# Altium PCB FRONT-UNIT-7.PcbDoc (part 1 of 3)
Units mm, origin at the board's own origin, x right, y up, seen from the top; angles counter-clockwise.
Board outline 280 x 128 mm, 2 copper layers (Top Layer, Top, Bottom Layer, Bottom), stack 1.671 mm thick; 145 components, 118 nets, 623 pads, 1279 vias.
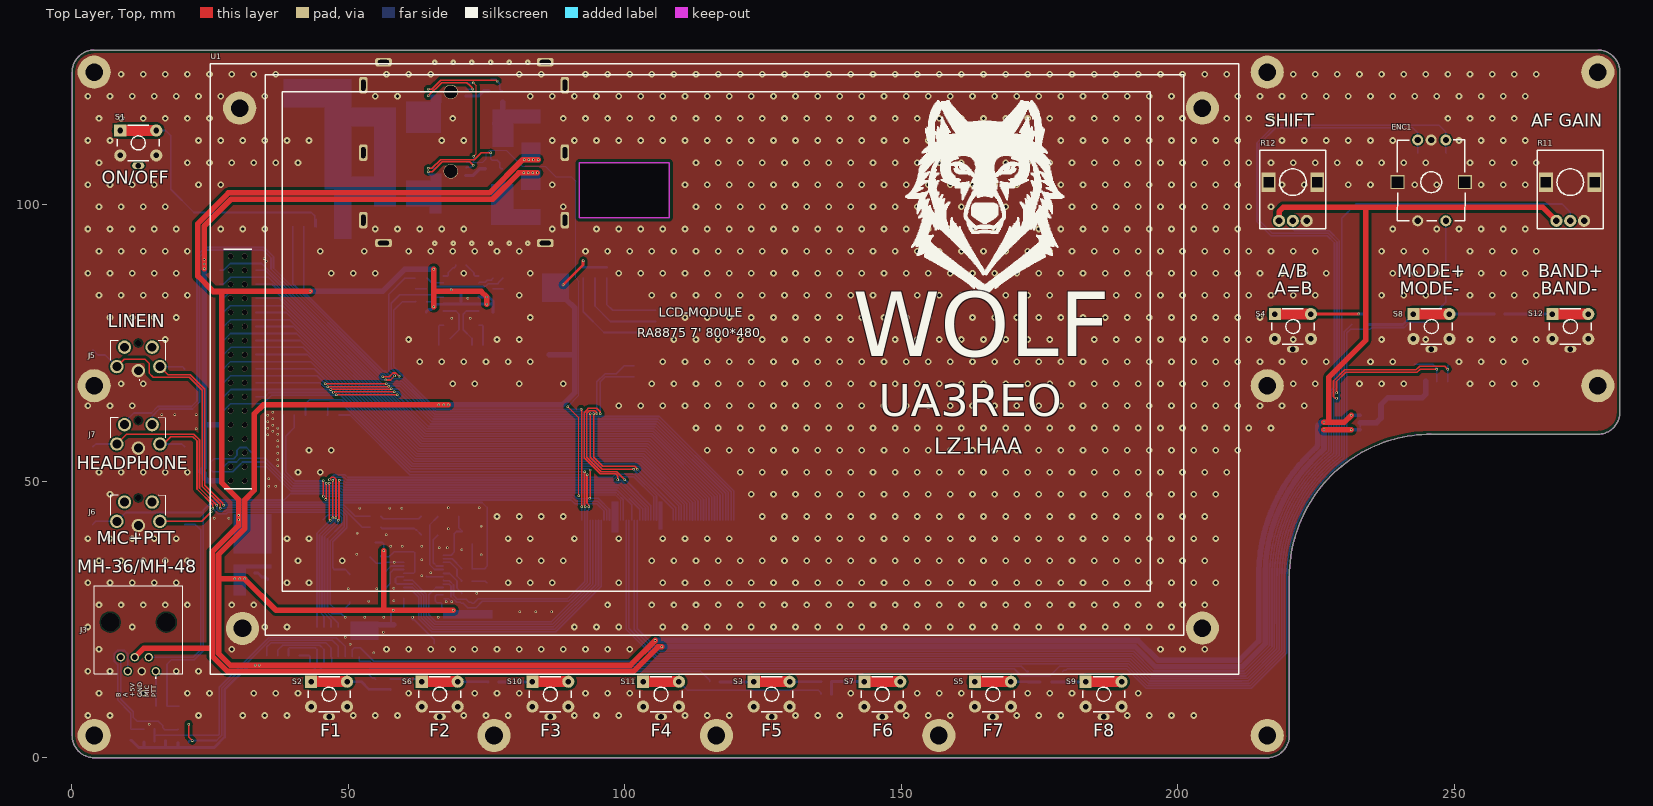
[diagram p0: Top Layer, Top view]
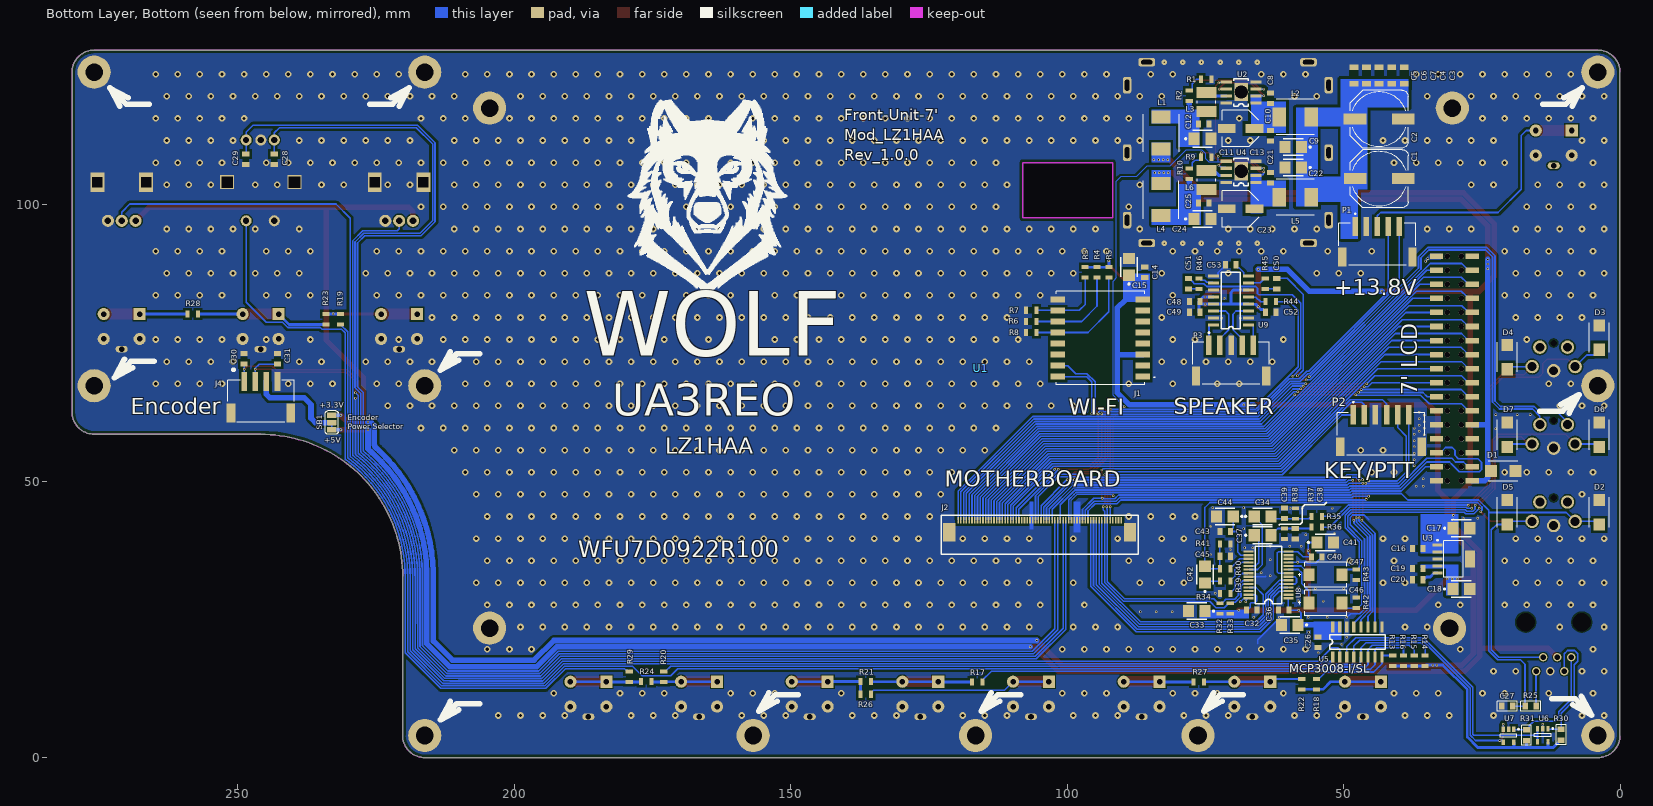
[diagram p1: Bottom Layer, Bottom view, seen from below]
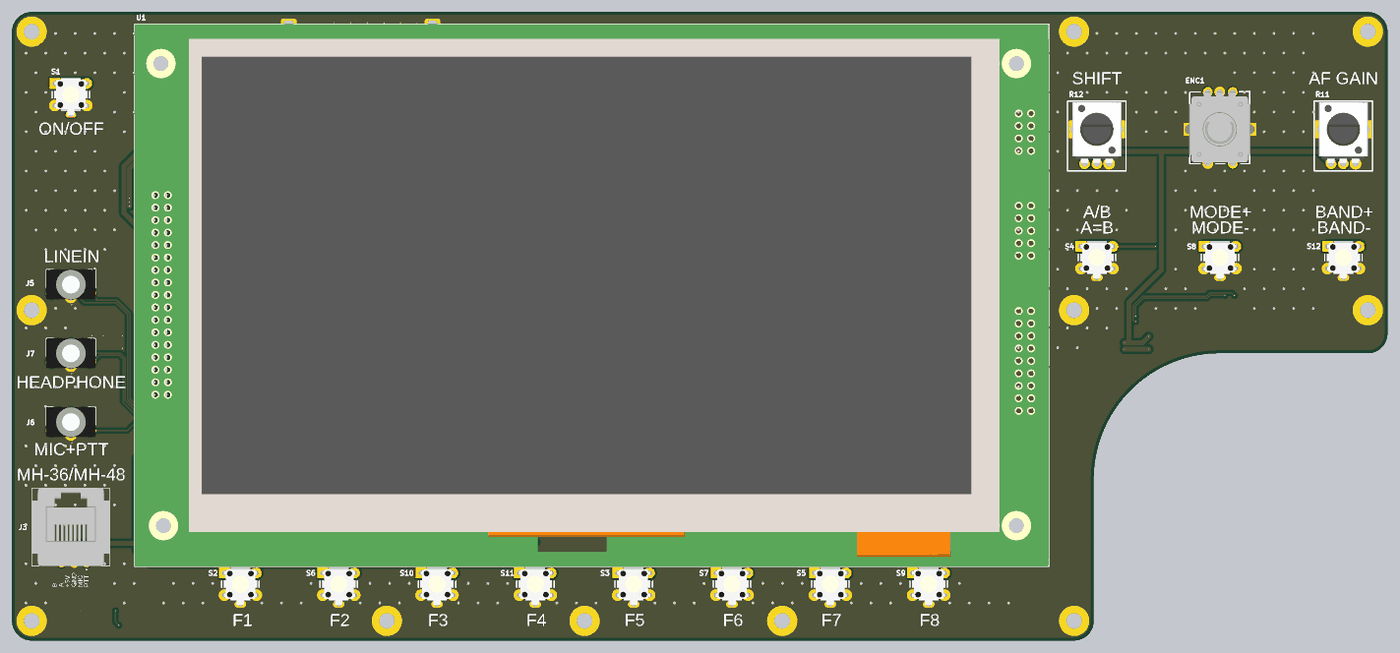
[diagram p4: 3D render of the assembled board from above, using the file's embedded part models]
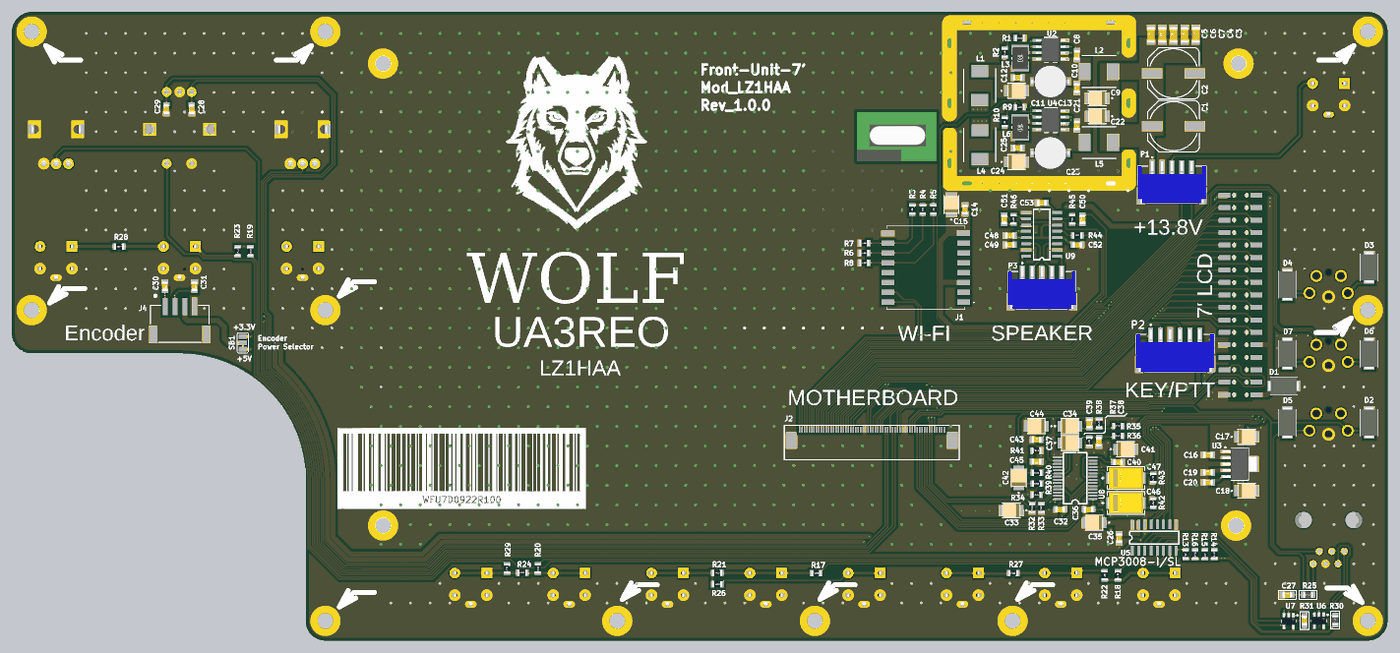
[diagram p5: 3D render of the assembled board from below, using the file's embedded part models]

## Layer stack, top to bottom
Top Solder, Top Mask: solder mask 0.0102, Solder Resist, Dk 3.5
Top Layer, Top: signal copper 0.0356
Dielectric 1: dielectric 1.6, FR-4, Dk 4.8
Bottom Layer, Bottom: signal copper 0.0356
Bottom Solder, Bot Mask: solder mask 0.0102, Solder Resist, Dk 3.5

## Board outline
0.006,4.013 ccw(c4.013,4.013) 4.013,0.006 216.193,0.006 ccw(c216.193,4.013) 220.2,4.013 220.2,32.81 cw(c245.9,32.81) 245.9,58.51 275.996,58.51 275.996,58.513 ccw(c275.996,62.52) 280.003,62.52 280.003,124.003 ccw(c275.996,124.003) 275.996,128.01 4.013,128.01 ccw(c4.013,124.003) 0.006,124.003
cut-out: 91.796,107.62 108.001,107.62 108.001,97.638 91.796,97.638

## Design rules (kind name [scope] priority, off if disabled: settings)
BoardOutlineClearance [All] p1: gap=0.3 ignorepadtopadclearanceinfootprint=FALSE
Clearance Clearance_NPTH [All vs InPadClass('NPTH')] p1: gap=0.4 ignorepadtopadclearanceinfootprint=FALSE except(0: Arc-Hole Track-Hole SMDPad-Hole THPad-Hole Via-Hole Fill-Hole Poly-Hole Region-Hole Text-Hole)
Clearance Clearance_MultiLayerPad [OnLayer('Multi-Layer') and IsPad] p2: gap=0.25 ignorepadtopadclearanceinfootprint=FALSE except(0: Arc-Hole Track-Hole SMDPad-Hole THPad-Hole Via-Hole Fill-Hole Poly-Hole Region-Hole Text-Hole)
Clearance Clearance_Polygon [InPolygon] p3: gap=0.5 ignorepadtopadclearanceinfootprint=FALSE
Clearance [All] p4: gap=0.15 ignorepadtopadclearanceinfootprint=FALSE except(0: Arc-Hole Track-Hole SMDPad-Hole THPad-Hole Via-Hole Fill-Hole Poly-Hole Region-Hole Text-Hole)
ComponentClearance [All] p1: gap=0 collisioncheckmode=3 verticalgap=0 showdistances=FALSE
Height [All] p1: minheight=0 maxheight=60 prefheight=12.7
HoleSize [All] p1: absolutevalues=TRUE maxlimit=5 minlimit=0.025 maxpercent=80.000 minpercent=20.000
HoleToHoleClearance [All] p1: gap=0.2 allowstackedmicrovias=TRUE
MinimumSolderMaskSliver [All] p1: minsoldermaskwidth=0.04
PlaneClearance [All] p1: clearance=0.5
PlaneConnect [All] p1: planeconnectstyle=Relief reliefexpansion=0.5 reliefentries=4 reliefconductorwidth=0.3 reliefairgap=0.2
PolygonConnect [All] p1: connectstyle=Direct reliefconductorwidth=0.6 reliefentries=4 polygonreliefangle="90 Angle" airgapwidth=0.3
RoutingVias [All] p1: holewidth=0.3 width=0.7 viastyle="Through Hole" minholewidth=0.25 minwidth=0.45 maxholewidth=3 maxwidth=5
SilkToSilkClearance [All] p1: silktosilkclearance=0
SilkToSolderMaskClearance [IsPad] p1: minsilkscreentomaskgap=0.05 clearancetoexposedcopper=TRUE
SolderMaskExpansion [All] p1: expansion=0.075 istentingtop=FALSE
Width [All] p1: maxlimit=10 minlimit=0.15 preferedwidth=0.3
21 further rules are at their usual default settings.

## Classes and differential pairs
net class PowerPads: 5V +3V3 +5 GND NetC8_2 NetL3_1
component class "AUDIO CODEC": C32 C33 C34 C35 C36 C37 C38 C39 C40 C41 C42 C43 C44 C45 C46 C47 C48 C49 C50 C51 C52 C53 D3 D4 D5 D6 D7 J5 J6 J7 MIС_IN1 P3 R32 R33 R34 R35 R36 R37 R38 R39 R40 R41 R42 R43 R44 R45 R46 U8 U9
component class FRONT-UNIT-7: C1 C2 C3 C4 C5 C6 C7 C8 C9 C10 C11 C12 C13 C14 C15 C16 C17 C18 C19 C20 C21 C22 C23 C24 C25 C26 C27 C28 C29 C30 C31 D1 D2 ENC1 J1 J2 J3 J4 L1 L2 L3 L4 L5 L6 P1 P2 R1 R2 R3 R4 R5 R6 R7 R8 R9 R10 R11 R12 R13 R14 R15 R16 R17 R18 R19 R20 R21 R22 R23 R24 R25 R26 R27 R28 R29 R30 R31 S1 S2 S3 S4 S5 S6 S7 S8 S9 S10 S11 S12 SB1 U1 U2 U3 U4 U5 U6 U7

## Components (designator, comment, footprint, x,y, rotation, side; value= is the part's Value field where it differs from the comment)
C1 "470uF 25V" SMD-G-10X10.2 43.561,104.75 r0 bottom value=470µF
C2 "470uF 25V" SMD-G-10X10.2 43.586,115.519 r0 bottom value=470µF
C3 "1uF" CAP_1206 39.014,123.368 r90 bottom
C4 "100nF" CAP_1206 41.294,123.368 r90 bottom
C5 "1nF" CAP_1206 48.133,123.368 r90 bottom
C6 "470pF" CAP_1206 45.853,123.368 r90 bottom
C7 "120pF" CAP_1206 43.574,123.368 r90 bottom
C8 "100nF" CAP_0805 63.244,119.253 r270 bottom
C9 "22uF 10V" CAPAE_4.3X4.3H5.4 58.699,110.439 r0 bottom
C10 "100nF" CAP_0805 63.244,112.522 r90 bottom
C11 "22uF 10V" CAPAE_4.3X4.3H5.4 75.918,111.963 r180 bottom
C12 "100nF" CAP_0805 75.309,114.63 r0 bottom
C13 "EEE1EA220SP" EEE1AA101SP 68.628,113.843 r0 bottom
C14 "100nF" CAP_0805 85.979,87.782 r270 bottom
C15 "10uF 10V" CAPAE_4.3X4.3H5.4 88.798,88.367 r90 bottom
C16 "100nF" CAP_0805 36.551,37.846 r180 bottom
C17 "10uF 10V" CAPAE_4.3X4.3H5.4 29.083,41.504 r180 bottom
C18 "10uF 10V" CAPAE_4.3X4.3H5.4 29.083,30.505 r180 bottom
C19 "100nF" CAP_0805 36.551,34.214 r180 bottom
C20 "100nF" CAP_0805 36.551,32.207 r180 bottom
C21 "100nF" CAP_0805 63.244,104.877 r270 bottom
C22 "22uF 10V" CAPAE_4.3X4.3H5.4 58.699,106.782 r0 bottom
C23 "EEE1EA220SP" EEE1AA101SP 68.628,99.289 r0 bottom
C24 "22uF 10V" CAPAE_4.3X4.3H5.4 75.918,97.464 r180 bottom
C25 "100nF" CAP_0805 75.309,100.33 r0 bottom
C26 "100nF" CAP_0805 54.635,20.853 r90 bottom
C27 "100nF" CH0805C 20.422,9.322 r180 bottom
C28 "100nF" CAP_0805 243.408,108.229 r90 bottom
C29 "100nF" CAP_0805 248.575,108.235 r90 bottom
C30 "10nF" CAP_0805 248.895,72.136 r270 bottom
C31 "10nF" CAP_0805 242.849,72.136 r270 bottom
C32 "100nF" CAP_0805 66.633,26.734 r180 bottom
C33 "10uF 10V" CAPAE_4.3X4.3H5.4 76.175,26.518 r0 bottom
C34 "1uF 10V" CAPAE_4.3X4.3H5.4 65.058,43.659 r180 bottom
C35 "10uF 10V" CAPAE_4.3X4.3H5.4 59.334,24.028 r0 bottom
C36 "100nF" CAP_0805 60.858,26.721 r180 bottom
C37 "1uF 10V" CAPAE_4.3X4.3H5.4 65.058,40.234 r180 bottom
C38 "220pF" CAP_0805 58.733,40.509 r90 bottom
C39 "220pF" CAP_0805 60.683,44.184 r270 bottom
C40 "100nF" CAP_0805 54.883,36.334 r0 bottom
C41 "10uF 10V" CAPAE_4.3X4.3H5.4 53.724,38.959 r180 bottom
C42 "1uF 10V" CAPAE_4.3X4.3H5.4 75.083,32.734 r90 bottom
C43 "100nF" CAP_0805 71.433,40.909 r180 bottom
C44 "10uF 10V" CAPAE_4.3X4.3H5.4 71.058,43.659 r0 bottom
C45 "220pF" CAP_0805 71.433,36.429 r0 bottom
C46 "T495D227K010ATE100" FP-T495D227K010ATE100-MFG 53.264,28.016 r0 bottom
C47 "T495D227K010ATE100" FP-T495D227K010ATE100-MFG 53.264,33.096 r0 bottom
C48 "1uF" CAP_0805 76.911,82.499 r0 bottom
C49 "100nF" CAP_0805 76.911,80.594 r0 bottom
C50 "1uF" CAP_0805 62.103,85.75 r90 bottom
C51 "1uF" CAP_0805 78.029,85.75 r90 bottom
C52 "1uF" CAP_0805 63.144,80.594 r180 bottom
C53 "1uF" CAP_0805 70.383,89.154 r0 bottom
D1 "SMAJ5.0A-TR" SMBJ36CATR 21.133,51.841 r180 bottom
D2 "SMAJ5.0A-TR" SMBJ36CATR 3.75,44.4 r90 bottom
D3 "SMAJ5.0A-TR" SMBJ36CATR 3.759,75.997 r90 bottom
D4 "SMAJ5.0A-TR" SMBJ36CATR 20.4,72.475 r90 bottom
D5 "SMAJ5.0A-TR" SMBJ36CATR 20.4,44.4 r90 bottom
D6 "SMAJ5.0A-TR" SMBJ36CATR 3.759,58.425 r90 bottom
D7 "SMAJ5.0A-TR" SMBJ36CATR 20.4,58.425 r90 bottom
ENC1 "PEC12" PEC12 245.86,104.11 r0 top locked
J1 "ESP8266_ESP-07" ESP8266ESP07 94.005,75.921 r0 bottom locked
J2 "AFC07-S60FCA-00" AFC07-S60FCA-00 104.975,41.875 r180 bottom locked
J3 "42878-6216" 428786216 15.164,15.642 r0 top locked
J4 "S4B-PH-SM4-TB_LF__SN_" S4B-PH-SM4-TB 242.836,68.057 r0 bottom
J5 "PJ-3583-B" PJ3583B 12,70 r180 top locked
J6 "PJ-3583-B" PJ3583B 12,42 r180 top locked
J7 "PJ-3583-B" PJ3583B 12,56 r180 top locked
L1 "IHLP2525CZER100M01" INDPM6965X300N 83.005,113.005 r270 bottom
L2 "IHLP2525CZER100M01" INDPM6965X300N 58.725,115.875 r0 bottom
L3 "744045003" WE-LQ-L 74.775,118.593 r270 bottom
L4 "IHLP2525CZER100M01" INDPM6965X300N 83.009,100.965 r90 bottom
L5 "IHLP2525CZER100M01" INDPM6965X300N 58.725,101.397 r0 bottom
L6 "744045003" WE-LQ-L 74.775,104.496 r270 bottom
P1 "S5B-PH-SM4-TB(LF)(SN)" JST-S5B-PH-SM4-TB_V 43.891,93.421 r180 bottom
P2 "S6B-PH-SM4-TB(LF)(SN)" JST-S6B-PH-SM4-TB(LF)(SN)_V 43.231,59.131 r180 bottom
P3 "S5B-PH-SM4-TB(LF)(SN)" JST-S5B-PH-SM4-TB_V 70.358,71.907 r180 bottom locked
R1 "7.5k 1%" RES_0805 74.826,122.707 r0 bottom
R2 "39k 1%" RES_0805 77.925,119.71 r270 bottom
R3 "4.7k" RES_0805 96.749,87.782 r270 bottom
R4 "4.7k" RES_0805 94.602,87.782 r270 bottom
R5 "4.7k" RES_0805 92.456,87.782 r270 bottom
R6 "0R" RES_0805 106.528,80.924 r0 bottom
R7 "0R" RES_0805 106.528,78.918 r0 bottom
R8 "0R" RES_0805 106.528,76.911 r0 bottom
R9 "4.7k 1%" RES_0805 74.826,108.61 r0 bottom
R10 "15k 1%" RES_0805 77.925,105.613 r270 bottom
R11 "PTV09A-4030F-A102" PTV09 271.01,104.11 r0 top locked value="AF GAIN 1k"
R12 "PTV09A-4030F-A102" PTV09 220.835,104.11 r0 top locked value="SHIFT 1k"
R13 "4.7k" RES_0805 41.123,17.551 r270 bottom
R14 "4.7k" RES_0805 35.255,17.551 r270 bottom
R15 "4.7k" RES_0805 39.167,17.551 r270 bottom
R16 "4.7k" RES_0805 37.211,17.551 r270 bottom
R17 "1k" RES_0805 116.281,13.716 r180 bottom
R18 "1k" RES_0805 54.907,13.258 r90 bottom
R19 "1k" RES_0805 231.466,79.314 r270 bottom
R20 "1k" RES_0805 172.972,14.656 r90 bottom
R21 "2k" RES_0805 136.423,13.792 r180 bottom
R22 "2k" RES_0805 57.582,13.284 r270 bottom
R23 "2k" RES_0805 234.066,79.314 r90 bottom
R24 "2k" RES_0805 176.122,13.806 r180 bottom
R25 "100R" CH0805R 16.18,9.322 r0 bottom
R26 "4.7k" RES_0805 136.423,11.481 r0 bottom
R27 "4.7k" RES_0805 76.2,13.716 r180 bottom
R28 "4.7k" RES_0805 258.196,80.247 r180 bottom
R29 "4.7k" RES_0805 179.222,14.656 r270 bottom
R30 "47k" CH0805R 10.649,4.157 r270 bottom
R31 "47k" CH0805C 16.916,4.064 r270 bottom
R32 "4.7k" R-0805 72.365,27 r270 bottom
R33 "4.7k" R-0805 70.485,27 r270 bottom
R34 "10k" RES_0805 71.433,29.709 r180 bottom
R35 "5.6k" RES_0805 54.883,43.659 r0 bottom
R36 "5.6k" RES_0805 54.883,41.709 r0 bottom
R37 "5.6k" RES_0805 60.708,40.509 r90 bottom
R38 "5.6k" RES_0805 58.708,44.184 r270 bottom
R39 "10k" RES_0805 71.408,31.949 r180 bottom
R40 "680R" RES_0805 71.408,34.189 r180 bottom
R41 "47k" RES_0805 71.433,38.669 r0 bottom
R42 "47k" RES_0805 47.701,28.016 r270 bottom
R43 "47k" RES_0805 47.701,33.096 r90 bottom
R44 "1k" RES_0805 63.144,82.499 r180 bottom
R45 "30k" RES_0805 64.16,85.75 r270 bottom
R46 "30k" RES_0805 76.149,85.75 r270 bottom
S1 "PTS645SK50LFS" PTS645SK50LFS 11.989,111.201 r0 top locked value=PWR
S2 "PTS645SK50LFS" PTS645SK50LFS 46.5,11.5 r0 top locked
S3 "PTS645SK50LFS" PTS645SK50LFS 126.557,11.5 r0 top locked
S4 "PTS645SK50LFS" PTS645SK50LFS 220.85,78.002 r0 top locked
S5 "PTS645SK50LFS" PTS645SK50LFS 166.586,11.5 r0 top locked
S6 "PTS645SK50LFS" PTS645SK50LFS 66.514,11.5 r0 top locked
S7 "PTS645SK50LFS" PTS645SK50LFS 146.571,11.5 r0 top locked
S8 "PTS645SK50LFS" PTS645SK50LFS 245.9,78.002 r0 top locked
S9 "PTS645SK50LFS" PTS645SK50LFS 186.6,11.5 r0 top locked
S10 "PTS645SK50LFS" PTS645SK50LFS 86.529,11.5 r0 top locked
S11 "PTS645SK50LFS" PTS645SK50LFS 106.543,11.5 r0 top locked
S12 "PTS645SK50LFS" PTS645SK50LFS 271.025,78.002 r0 top locked
SB1 "Jumper_open_short" PCBJUMPEROPENSHORT 233.02,60.63 r270 bottom net-tie
U1 "LCD-RA8875" LCD-RA8875 25,125.5 r0 top locked
U2 "ST1S10" ST1S10 68.527,120.32 r0 bottom
U3 "TPS79633DCQR" DCQ0006A_L 30.099,35.941 r180 bottom
U4 "ST1S10" ST1S10 68.527,105.964 r0 bottom
U5 "MCP3008-I/SL" MCP3008-I/SL 47.498,20.955 r90 bottom
U6 "MCP6001UT" SOT23-5 13.97,4.064 r270 bottom
U7 "MCP6001UT" SOT23-5 20.142,3.962 r270 bottom
U8 "WM8731" WM8731 63.583,33.059 r0 bottom
U9 "PAM8406" PAM8403 70.387,82.701 r0 bottom

## Footprints (in the part's own frame and the unit in brackets; to place one, negate y for a bottom-side part, rotate by r counter-clockwise, add the part's x,y. Pads: shape width x height; smd on the part's side, far side on the other; paste and mask are expansions set on the pad)
428786216 [mm]
  round 1.509 hole 0.97: 1(0,0) 2(-1.27,2.54) 3(-2.54,0) 4(-3.81,2.54) 5(-5.08,0) 6(-6.35,2.54)
  round 1.665 hole 3.33 unplated: 7(-8.255,8.89) 8(1.905,8.89)
  silkscreen extent -11.17,-1.3 4.82,15.44, body extent -11.18,-0.44 4.83,15.44, height 12.71
AFC07-S60FCA-00 [mm]
  rect 0.3x1.2 smd: 1(-14.75,1.088) 2(-14.25,1.088) 3(-13.75,1.088) 4(-13.25,1.088) 5(-12.75,1.088) 6(-12.25,1.088) 7(-11.75,1.088) 8(-11.25,1.088) 9(-10.75,1.088) 10(-10.25,1.088) 11(-9.75,1.088) 12(-9.25,1.088) 13(-8.75,1.088) 14(-8.25,1.088) 15(-7.75,1.088) 16(-7.25,1.088) 17(-6.75,1.088) 18(-6.25,1.088) 19(-5.75,1.088) 20(-5.25,1.088) 21(-4.75,1.088) 22(-4.25,1.088) 23(-3.75,1.088) 24(-3.25,1.088) 25(-2.75,1.088) 26(-2.25,1.088) 27(-1.75,1.088) 28(-1.25,1.088) 29(-0.75,1.088) 30(-0.25,1.088) 31(0.25,1.088) 32(0.75,1.088) 33(1.25,1.088) 34(1.75,1.088) 35(2.25,1.088) 36(2.75,1.088) 37(3.25,1.088) 38(3.75,1.088) 39(4.25,1.088) 40(4.75,1.088) 41(5.25,1.088) 42(5.75,1.088) 43(6.25,1.088) 44(6.75,1.088) 45(7.25,1.088) 46(7.75,1.088) 47(8.25,1.088) 48(8.75,1.088) 49(9.25,1.088) 50(9.75,1.088) 51(10.25,1.088) 52(10.75,1.088) 53(11.25,1.088) 54(11.75,1.088) 55(12.25,1.088) 56(12.75,1.088) 57(13.25,1.088) 58(13.75,1.088) 59(14.25,1.088) 60(14.75,1.088)
  rect 2.2x3.3 smd: 61(-16.35,-1.087) 62(16.35,-1.087)
  silkscreen extent -17.8,-5.05 17.8,1.95, body extent -17.14,-4.83 17.14,0.89, height 3
CAP_0805 [mm] "Surface-Mount Multilayer Chip Capacitor, Body 2 x 1.25 mm (L x W)"
  rect 0.9x1.3 smd: 1(-0.95,0) 2(0.95,0)
  Top Layer, Top pour cut-out: -0.5,0.65 0.5,0.65 0.5,-0.65 -0.5,-0.65
  body extent -1,-0.62 1,0.63, height 0.78
CAP_1206 [mm] "Surface-Mount Multilayer Chip Capacitor, Body 3.2 x 1.6 mm (L x W)"
  rect 1x1.6 smd: 1(-1.5,0) 2(1.5,0)
  Top Layer, Top pour cut-out: -1,0.8 1,0.8 1,-0.8 -1,-0.8
  body extent -1.6,-0.8 1.6,0.8, height 1
CAPAE_4.3X4.3H5.4 [mm]
  rect 2x2.2 smd: 1(-1.1,0) 2(1.9,0)
  silkscreen extent -2.9,-1.5 2.2,1.5, body extent -1.45,-1.5 2.25,1.5, height 2.16
CH0805C [mm] "Chip Capacitor, 2-Leads, Body 2,00x1,20mm, IPC Medium Density"
  rect 1x1.25 smd: 1(-1,0) 2(1,0)
  silkscreen extent -1.8,-0.9 1.8,0.9, body extent -1,-0.62 1,0.63, height 0.78
CH0805R [mm]
  rect 1x1.25 smd: 1(-1,0) 2(1,0)
  silkscreen extent -1.8,-0.9 1.8,0.9, body extent -1,-0.6 1,0.6, height 0.44
DCQ0006A_L [mm] "SOT223, 6-Leads, Body 6.55x3.55mm, Pitch 1.27mm, IPC High Density"
  rrect17% 1.8x0.6 smd: 1(-2.925,2.54) 2(-2.925,1.27) 3(-2.925,0) 4(-2.925,-1.27) 5(-2.925,-2.54)
  rrect6% 1.8x3.15 smd: 6(2.925,0)
  silkscreen extent -3.05,-3.3 1.75,3.51, body extent -3.48,-3.25 3.48,3.25, height 1.64
EEE1AA101SP [mm]
  rect 3.2x1.6 smd: 1(-2.5,0) 2(2.5,0)
  silkscreen extent -3.3,-3.3 3.3,3.3, body extent -3.9,-3.4 3.9,3.4, height 5.57
ESP8266ESP07 [mm]
  rect 2.6x1.1 smd: 1(-7.7,7) 2(-7.7,5) 3(-7.7,3) 4(-7.7,1) 5(-7.7,-1) 6(-7.7,-3) 7(-7.7,-5) 8(-7.7,-7) 9(7.7,-7) 10(7.7,-5) 11(7.7,-3) 12(7.7,-1) 13(7.7,1) 14(7.7,3) 15(7.7,5) 16(7.7,7)
  silkscreen extent -9.9,-8.5 8,8.5, body extent -8,-8 8,9, height 2.21
FP-T495D227K010ATE100-MFG [mm]
  rect 1.99x2.33 smd paste+0 mask+0: 1(-3.01,0) 2(3.01,0)
  silkscreen extent -3.8,-2.3 4.95,2.3, body extent -3.65,-2.15 3.65,2.15, height 3.1
INDPM6965X300N [mm]
  rect 2.4x3.4 smd: 1(-2.9,0) 2(2.9,0)
  silkscreen extent -3.43,-3.23 3.43,3.23, body extent -3.54,-3.33 3.53,3.34, height 2.89
JST-S5B-PH-SM4-TB_V [mm] "SMD, 7-Leads, Body 13.9x7.6mm, Pitch 2mm"
  rect 1x3.5 smd: 1(-4,2.675) 2(-2,2.675) 3(0,2.675) 4(2,2.675) 5(4,2.675)
  rect 1.5x3.4 smd: MP1(-6.35,-2.875) MP2(6.35,-2.875)
  silkscreen extent -6.95,-4.38 6.95,5.1, body extent -6.95,-4.38 6.95,4.22, height 5.6
JST-S6B-PH-SM4-TB(LF)(SN)_V [mm] "SMD, 2-Leads, Body 15.9x7.6mm, Pitch 2mm"
  rect 1x3.5 smd: 1(-5,2.875) 2(-3,2.875) 3(-1,2.875) 4(1,2.875) 5(3,2.875) 6(5,2.875)
  rect 1.5x3.4 smd: MP1(-7.35,-2.875) MP2(7.35,-2.875)
  silkscreen extent -7.95,-4.37 7.95,5.3, body extent -7.95,-4.38 7.95,4.22, height 5.6
LCD-RA8875 [mm]
  round 6 hole 3.2: 0(5.33,-8) 0(5.84,-102.1) 0(179.46,-102.07) 0(179.46,-8)
  rect 2.4x1 smd far side: 1(1.713,-34.798) 2(8.213,-34.798) 3(1.713,-37.338) 4(8.213,-37.338) 5(1.713,-39.878) 6(8.213,-39.878) 7(1.713,-42.418) 8(8.213,-42.418) 9(1.713,-44.958) 10(8.213,-44.958) 11(1.713,-47.498) 12(8.213,-47.498) 13(1.713,-50.038) 14(8.213,-50.038) 15(1.713,-52.578) 16(8.213,-52.578) 17(1.713,-55.118) 18(8.213,-55.118) 19(1.713,-57.658) 20(8.213,-57.658) 21(1.713,-60.198) 22(8.213,-60.198) 23(1.713,-62.738) 24(8.213,-62.738) 25(1.713,-65.278) 26(8.213,-65.278) 27(1.713,-67.818) 28(8.213,-67.818) 29(1.713,-70.358) 30(8.213,-70.358) 31(1.713,-72.898) 32(8.213,-72.898) 33(1.713,-75.438) 34(8.213,-75.438)